# Altium PCB CurrentTransducers_Corfo_v2.PcbDoc (part 2 of 2)
Units mil, origin at the board's own origin, x right, y up, seen from the top; angles counter-clockwise.
Board outline 7874.02 x 4409.45 mil, 4 copper layers (Top Layer, POWER, GND, Bottom Layer), stack 23.756 mil thick; 132 components, 72 nets, 377 pads, 93 vias.
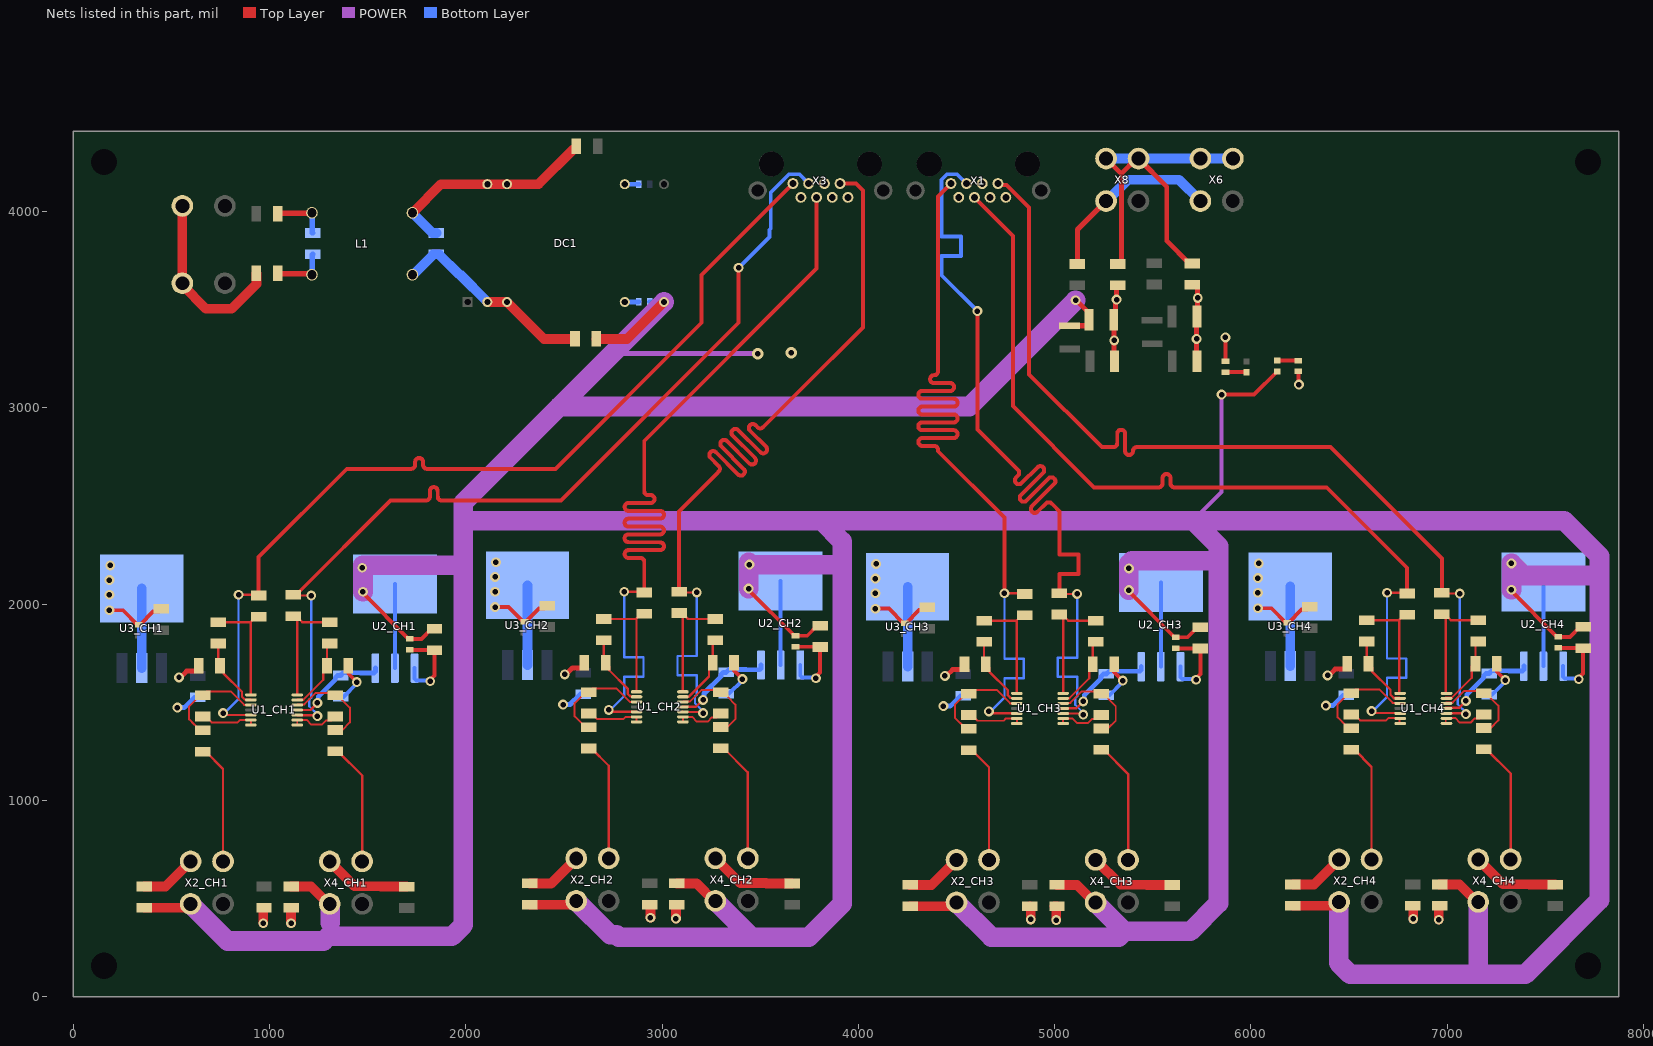
[diagram p4: the nets of this part, all layers, seen from the top]

## Via types
v1: diameter 50, hole 28, Top Layer to Bottom Layer, 88 vias
v2: diameter 59.06, hole 28, Top Layer to Bottom Layer, 3 vias
v3: diameter 120.08, hole 120.08, Top Layer to Bottom Layer, 2 vias

## Nets (pads, with @x,y where several pads share a name; then routed paths per layer and width w, separated by ;. In a path a pad name is that pad's centre, name@x,y a point inside that pad or via, vN(x,y) a via of type N, cw(c..) or ccw(c..) an arc to the next point about the centre after c; other vN are vias at no path point) (continued)
-15V: C9.1 C10_CH1.1 C10_CH2.1 C10_CH3.1 C10_CH4.1 C12_CH1.1 C12_CH2.1 C12_CH3.1 C12_CH4.1 C13_CH1.1 C13_CH2.1 C13_CH3.1 C13_CH4.1 C19_CH1.1 C19_CH2.1 C19_CH3.1 C19_CH4.1 C27.2 C28.2 D2.2 DC1.11 L3.2 U2_CH1.2 U2_CH1.4 U2_CH2.2 U2_CH2.4 U2_CH3.2 U2_CH3.4 U2_CH4.2 U2_CH4.4 X2_CH1.2 X2_CH2.2 X2_CH3.2 X2_CH4.2 X4_CH1.2 X4_CH2.2 X4_CH3.2 X4_CH4.2 | length 35850.1
  Top Layer w20: v1(1476.38,2062.99) 1476.38,2055.51 1709.05,1822.83 C13_CH1.1@1714.96,1822.83 1775,1822.83 1826.18,1874.02 C12_CH1.1@1840.94,1874.02 ; v1(3440.94,2078.74) 3440.94,2071.26 3673.62,1838.58 C13_CH2.1@3679.53,1838.58 3739.57,1838.58 3790.75,1889.76 C12_CH2.1@3805.51,1889.76 ; v1(5377.95,2070.87) 5377.95,2063.38 5610.63,1830.71 C13_CH3.1@5616.53,1830.71 5676.57,1830.71 5727.76,1881.89 C12_CH3.1@5742.52,1881.89 ; v1(5850.39,3066.93) 6015.75,3066.93 D2.2@6133.86,3185.04 ; v1(7326.77,2073.23) 7326.77,2065.75 7559.45,1833.07 C13_CH4.1@7565.35,1833.07 7625.39,1833.07 7676.57,1884.25 C12_CH4.1@7691.34,1884.25
  Top Layer w25: v1(5106.3,3547.24) 5109.64,3547.24 5175.58,3481.3 C9.1@5175.58,3448.82 C9.1@5175.58,3426.18
  Top Layer w27.56: L3.2@5075.98,3417.32 5166.72,3417.32 C9.1@5175.58,3426.18
  Top Layer w50: C10_CH1.1@362.2,452.76 562.44,452.76 582.13,472.44 X2_CH1.2@598.43,472.44 ; C19_CH1.1@1110.24,561.42 1212.05,561.42 1301.03,472.44 X4_CH1.2@1307.09,472.44 ; C10_CH2.1@2326.77,468.5 2527.01,468.5 2546.69,488.19 X2_CH2.2@2562.99,488.19 ; C28.2@2665.35,3350.78 2822.18,3350.78 DC1.11@3010.08,3538.68 ; C19_CH2.1@3074.8,577.17 3176.62,577.17 3265.59,488.19 X4_CH2.2@3271.65,488.19 ; C10_CH3.1@4263.78,460.63 4464.02,460.63 4483.7,480.31 X2_CH3.2@4500,480.31 ; C19_CH3.1@5011.81,569.29 5113.62,569.29 5202.6,480.31 X4_CH3.2@5208.66,480.31 ; C10_CH4.1@6212.6,462.99 6412.84,462.99 6432.52,482.68 X2_CH4.2@6448.82,482.68 ; C19_CH4.1@6960.63,571.65 7062.44,571.65 7151.42,482.68 X4_CH4.2@7157.48,482.68
  POWER w20: 5704.72,2425.2 5850.39,2570.87 v1(5850.39,3066.93)
  POWER w25: 2761.29,3289.89 2775.59,3275.59 v2(3488.19,3275.59)
  POWER w100: X2_CH1.2@598.43,472.44 787.4,283.46 1275.59,283.46 ; 1299.21,307.09 1929.61,307.09 1988.19,365.67 1988.19,2204.72 ; X4_CH1.2@1307.09,472.44 1309.04,470.48 1309.04,375.99 ; v1(1476.38,2062.99) 1476.38,2196.85 1980.32,2196.85 1988.19,2204.72 ; X2_CH2.2@2562.99,488.19 2736.22,314.96 2767.72,314.96 2779.53,303.15 3456.69,303.15 ; DC1.11@3010.08,3538.68 2761.29,3289.89 2477.82,3006.43 ; X4_CH2.2@3271.65,488.19 3456.69,303.15 ; v1(3440.94,2078.74) 3440.94,2212.6 3452.76,2200.79 3917.32,2200.79 ; X2_CH3.2@4500,480.31 4677.17,303.15 5326.61,303.15 5356.22,332.76 ; v1(5106.3,3547.24) 4565.48,3006.43 2477.82,3006.43 ; X4_CH3.2@5208.66,480.31 5356.22,332.76 ; v1(5377.95,2070.87) v1(5377.95,2181.1) 5377.95,2204.72 5393.7,2220.47 5834.65,2220.47 ; X2_CH4.2@6448.82,482.68 6446.86,480.72 6446.86,172.75 6505.44,114.17 7133.86,114.17 ; X4_CH4.2@7157.48,482.68 7157.48,137.8 7133.86,114.17 ; v1(7326.77,2073.23) v1(7326.77,2207.09) 7388.19,2145.67 7775.59,2145.67 ; 1988.19,2204.72 1988.19,2425.2 ; 1988.19,2425.2 1988.19,2516.79 2477.82,3006.43 ; 1988.19,2425.2 3811.02,2425.2 ; 3456.69,303.15 3748.03,303.15 3917.32,472.44 3917.32,2200.79 ; 3811.02,2425.2 5704.72,2425.2 ; 3811.02,2425.2 3917.32,2318.9 3917.32,2200.79 ; 5356.22,332.76 5691.03,332.76 5834.65,476.38 5834.65,2220.47 ; 5704.72,2425.2 7594.49,2425.2 7775.59,2244.09 7775.59,2145.67 ; 5704.72,2425.2 5834.65,2295.28 5834.65,2220.47 ; 7133.86,114.17 7397.64,114.17 7775.59,492.13 7775.59,2145.67
  Bottom Layer w20: U2_CH1.2@1639.37,1673.23 U2_CH1.4@1639.37,2101.57 ; U2_CH2.2@3603.94,1688.98 U2_CH2.4@3603.94,2117.32 ; U2_CH3.2@5540.94,1681.1 U2_CH3.4@5540.94,2109.45 ; U2_CH4.2@7489.76,1683.46 U2_CH4.4@7489.76,2111.81
  Bottom Layer w25: C27.2@2937.01,3539.75 2937.54,3539.22 3009.55,3539.22 DC1.11@3010.08,3538.68
  other v1: 1472.44,2185.04 3444.88,2200.79
-15V_In: FB5.1 X6.2 X8.2 | length 951.1
  Top Layer w27.56: FB5.1@5116.1,3732.28 5116.1,3907.13 X8.2@5261.77,4052.8
  Bottom Layer w50: X8.2@5261.77,4052.8 5265.39,4052.8 5374.02,4161.42 5633.46,4161.42 X6.2@5742.09,4052.8
-Vcc_CH1: C1_CH1.1 U1_CH1.11 U2_CH1.3 | length 517.2
  Top Layer w12: U1_CH1.11@1141.73,1460.63 1208.66,1460.63 v1(1244.09,1496.06)
  Bottom Layer w25: v1(1244.09,1496.06) 1248.88,1500.85 1248.88,1528.41 1335.33,1614.86 1335.33,1624.11 1347.44,1636.22 C1_CH1.1@1362.2,1636.22 1375.85,1649.86 1464.56,1649.86 1464.81,1649.61 1532.38,1649.61 1539.37,1656.59 U2_CH1.3@1539.37,1673.23
-Vcc_CH2: C1_CH2.1 U1_CH2.11 U2_CH2.3 | length 517.2
  Top Layer w12: U1_CH2.11@3106.3,1476.38 3173.23,1476.38 v1(3208.66,1511.81)
  Bottom Layer w25: v1(3208.66,1511.81) 3213.44,1516.59 3213.44,1544.15 3299.9,1630.61 3299.9,1639.86 3312.01,1651.97 C1_CH2.1@3326.77,1651.97 3340.41,1665.61 3429.12,1665.61 3429.38,1665.35 3496.95,1665.35 3503.94,1672.34 U2_CH2.3@3503.94,1688.98
-Vcc_CH3: C1_CH3.1 U1_CH3.11 U2_CH3.3 | length 517.2
  Top Layer w12: U1_CH3.11@5043.31,1468.5 5110.24,1468.5 v1(5145.67,1503.94)
  Bottom Layer w25: v1(5145.67,1503.94) 5150.45,1508.72 5150.45,1536.28 5236.91,1622.74 5236.91,1631.99 5249.02,1644.09 C1_CH3.1@5263.78,1644.09 5277.42,1657.74 5366.13,1657.74 5366.39,1657.48 5433.96,1657.48 5440.94,1664.47 U2_CH3.3@5440.94,1681.1
-Vcc_CH4: C1_CH4.1 U1_CH4.11 U2_CH4.3 | length 517.2
  Top Layer w12: U1_CH4.11@6992.13,1470.87 7059.06,1470.87 v1(7094.49,1506.3)
  Bottom Layer w25: v1(7094.49,1506.3) 7099.27,1511.08 7099.27,1538.64 7185.73,1625.1 7185.73,1634.35 7197.84,1646.45 C1_CH4.1@7212.6,1646.45 7226.24,1660.1 7314.95,1660.1 7315.21,1659.84 7382.78,1659.84 7389.76,1666.83 U2_CH4.3@7389.76,1683.46
GND: C1_CH1.2 C1_CH2.2 C1_CH3.2 C1_CH4.2 C2_CH1.2 C2_CH2.2 C2_CH3.2 C2_CH4.2 C3_CH1.2 C3_CH2.2 C3_CH3.2 C3_CH4.2 C4_CH1.2 C4_CH2.2 C4_CH3.2 C4_CH4.2 C5_CH1.2 C5_CH2.2 C5_CH3.2 C5_CH4.2 C6.2 C7.2 C8.2 C9.2 C10_CH1.2 C10_CH2.2 C10_CH3.2 C10_CH4.2 C11_CH1.2 C11_CH2.2 C11_CH3.2 C11_CH4.2 C12_CH1.2 C12_CH2.2 C12_CH3.2 C12_CH4.2 C13_CH1.2 C13_CH2.2 C13_CH3.2 C13_CH4.2 C19_CH1.2 C19_CH2.2 C19_CH3.2 C19_CH4.2 C24.2 C27.1 DC1.9 DC1.16 FB4.2 FB6.2 R1.1 R2.1 R7_CH1.2 R7_CH2.2 R7_CH3.2 R7_CH4.2 R8_CH1.1 R8_CH2.1 R8_CH3.1 R8_CH4.1 U2_CH1.1 U2_CH2.1 U2_CH3.1 U2_CH4.1 U3_CH1.2 U3_CH1.4 U3_CH2.2 U3_CH2.4 U3_CH3.2 U3_CH3.4 U3_CH4.2 U3_CH4.4 X1.2 X1.5 X1.6 X1.8 X2_CH1.4 X2_CH2.4 X2_CH3.4 X2_CH4.4 X3.2 X3.5 X3.6 X3.8 X4_CH1.4 X4_CH2.4 X4_CH3.4 X4_CH4.4 | length 11316.8
  Top Layer w20: v1(185.04,1968.5) 253.94,1968.5 328.74,1893.7 C4_CH1.2@334.65,1893.7 340.55,1893.7 407.82,1960.97 435.01,1960.97 C2_CH1.2@449.62,1975.57 ; R8_CH1.1@1401.57,1685.04 1401.57,1645.67 v1(1444.88,1602.36) ; C13_CH1.2@1714.96,1767.72 1716.14,1766.54 1839.76,1766.54 C12_CH1.2@1840.94,1765.35 1840.94,1636.46 1818.9,1614.42 v1(1818.9,1606.3) ; v1(2149.61,1984.25) 2218.5,1984.25 2293.31,1909.45 C4_CH2.2@2299.21,1909.45 2305.12,1909.45 2372.38,1976.71 2399.58,1976.71 C2_CH2.2@2414.19,1991.32 ; R8_CH2.1@3366.14,1700.79 3366.14,1661.42 v1(3409.45,1618.11) ; C13_CH2.2@3679.53,1783.46 3680.71,1782.28 3804.33,1782.28 C12_CH2.2@3805.51,1781.1 3805.51,1652.21 3783.46,1630.17 v1(3783.46,1622.05) ; v1(4086.61,1976.38) 4155.51,1976.38 4230.32,1901.57 C4_CH3.2@4236.22,1901.57 4242.13,1901.57 4309.39,1968.84 4336.59,1968.84 C2_CH3.2@4351.19,1983.45 ; R8_CH3.1@5303.15,1692.91 5303.15,1653.54 v1(5346.46,1610.24) ; C13_CH3.2@5616.53,1775.59 5617.72,1774.41 5741.34,1774.41 C12_CH3.2@5742.52,1773.23 5742.52,1644.34 5720.47,1622.29 v1(5720.47,1614.17) ; R2.1@5870.08,3236.22 v1(5870.08,3358.27) ; v1(6035.43,1978.74) 6104.33,1978.74 6179.13,1903.94 C4_CH4.2@6185.04,1903.94 6190.95,1903.94 6258.21,1971.2 6285.41,1971.2 C2_CH4.2@6300.01,1985.81 ; R1.1@6240.16,3185.04 6242.13,3183.07 6242.13,3120.08 v1(6244.09,3118.11) ; R8_CH4.1@7251.97,1695.28 7251.97,1655.91 v1(7295.28,1612.6) ; C13_CH4.2@7565.35,1777.95 7566.54,1776.77 7690.16,1776.77 C12_CH4.2@7691.34,1775.59 7691.34,1646.7 7669.29,1624.65 v1(7669.29,1616.54)
  Top Layer w25: v1(539.37,1625.98) 546.13,1625.98 578.32,1658.17 627.26,1658.17 639.37,1670.28 R7_CH1.2@639.37,1685.04 ; v1(2503.94,1641.73) 2510.7,1641.73 2542.89,1673.92 2591.83,1673.92 2603.94,1686.02 R7_CH2.2@2603.94,1700.79 ; v1(4440.94,1633.86) 4447.71,1633.86 4479.9,1666.04 4528.84,1666.04 4540.94,1678.15 R7_CH3.2@4540.94,1692.91 ; C8.2@5305.12,3236.22 5303.15,3238.19 v1(5303.15,3342.52) 5303.15,3446.85 C9.2@5301.18,3448.82 5310.18,3457.82 v1@5310.18,3540.53 ; v1@5320.83,3551.18 v1@5310.18,3540.53 ; FB6.2@5320.83,3623.62 5319.77,3623.62 5314.96,3618.82 v1(5314.96,3551.18) 5310.18,3546.4 v1@5310.18,3540.53 ; FB4.2@5700.79,3625.98 5715.55,3625.98 5728.35,3613.19 v1(5728.35,3559.06) 5728.35,3468.89 C6.2@5724.02,3464.57 5722.25,3462.79 5722.25,3360.04 5722.44,3359.85 v1(5722.44,3350.2) 5722.44,3238.19 C7.2@5724.41,3236.22 ; v1(6389.76,1636.22) 6396.53,1636.22 6428.72,1668.41 6477.66,1668.41 6489.76,1680.51 R7_CH4.2@6489.76,1695.28
  Top Layer w50: C10_CH1.2@362.21,561.42 470.87,561.42 X2_CH1.4@598.43,688.98 ; v1(968.5,374.02) 968.5,444.49 976.38,452.36 975.98,452.76 C3_CH1.2@972.44,452.76 ; v1(1110.24,374.02) 1110.24,448.43 1106.3,452.36 1106.69,452.76 C19_CH1.2@1110.24,452.76 ; X4_CH1.4@1307.09,688.98 1433.5,562.56 1565.96,562.56 1567.87,560.65 C11_CH1.2@1698.39,560.65 ; C10_CH2.2@2326.77,577.17 2435.43,577.17 X2_CH2.4@2562.99,704.72 ; C3_CH2.2@2937.01,468.5 2940.94,464.57 v1(2940.94,401.57) ; v1(3070.87,397.64) 3070.87,457.68 3060.43,468.11 3060.83,468.5 C19_CH2.2@3074.8,468.5 ; X4_CH2.4@3271.65,704.72 3398.07,578.31 3530.53,578.31 3532.44,576.4 C11_CH2.2@3662.96,576.4 ; C10_CH3.2@4263.78,569.29 4372.44,569.29 X2_CH3.4@4500,696.85 ; C3_CH3.2@4874.01,460.63 4877.95,456.69 v1(4877.95,393.7) ; v1(5007.87,389.76) 5007.87,449.8 4997.44,460.24 4997.83,460.63 C19_CH3.2@5011.81,460.63 ; X4_CH3.4@5208.66,696.85 5335.08,570.43 5467.53,570.43 5469.44,568.52 C11_CH3.2@5599.97,568.52 ; C10_CH4.2@6212.6,571.65 6321.26,571.65 X2_CH4.4@6448.82,699.21 ; C3_CH4.2@6822.83,462.99 6826.77,459.05 v1(6826.77,396.06) ; v1(6956.69,392.13) 6956.69,452.16 6946.26,462.6 6946.65,462.99 C19_CH4.2@6960.63,462.99 ; X4_CH4.4@7157.48,699.21 7283.9,572.79 7416.35,572.79 7418.26,570.88 C11_CH4.2@7548.79,570.88
  Bottom Layer w20: C1_CH1.2@1362.2,1527.56 1376.97,1527.56 1444.88,1595.47 v1(1444.88,1602.36) ; U2_CH1.1@1739.37,1673.23 1739.37,1619.38 1748.86,1609.9 1815.3,1609.9 v1(1818.9,1606.3) ; C1_CH2.2@3326.77,1543.31 3341.54,1543.31 3409.45,1611.22 v1(3409.45,1618.11) ; U2_CH2.1@3703.94,1688.98 3703.94,1635.13 3713.43,1625.64 3779.87,1625.64 v1(3783.46,1622.05) ; C1_CH3.2@5263.78,1535.43 5278.54,1535.43 5346.46,1603.35 v1(5346.46,1610.24) ; U2_CH3.1@5640.94,1681.1 5640.94,1627.26 5650.43,1617.77 5716.88,1617.77 v1(5720.47,1614.17) ; C1_CH4.2@7212.6,1537.8 7227.36,1537.8 7295.28,1605.71 v1(7295.28,1612.6) ; U2_CH4.1@7589.76,1683.46 7589.76,1629.62 7599.25,1620.13 7665.69,1620.13 v1(7669.29,1616.54)
  Bottom Layer w25: v1(531.5,1472.44) 566.34,1472.44 619.1,1525.2 C5_CH1.2@633.86,1525.2 ; v1(2496.06,1488.19) 2530.91,1488.19 2583.66,1540.94 C5_CH2.2@2598.43,1540.94 ; DC1.9@2810.08,3538.68 2810.62,3539.22 2881.35,3539.22 C27.1@2881.89,3539.75 ; DC1.16@2810.08,4138.68 2810.33,4138.43 2881.64,4138.43 C24.2@2881.89,4138.18 ; v1(4433.07,1480.31) 4467.92,1480.31 4520.67,1533.07 C5_CH3.2@4535.43,1533.07 ; v1(6381.89,1482.68) 6416.74,1482.68 6469.49,1535.43 C5_CH4.2@6484.25,1535.43
  Bottom Layer w50: U3_CH1.2@349.62,1673.82 U3_CH1.4@349.62,2079.33 ; U3_CH2.2@2314.19,1689.57 U3_CH2.4@2314.19,2095.08 ; U3_CH3.2@4251.19,1681.69 U3_CH3.4@4251.19,2087.2 ; U3_CH4.2@6200.01,1684.05 U3_CH4.4@6200.01,2089.57
  other v1: 185.04,2047.24 4086.61,2055.12 6035.43,2057.48 2149.61,2062.99 185.04,2122.05 4086.61,2129.92 6035.43,2132.28 2149.61,2137.8 188.98,2196.85 4090.55,2204.72 6039.37,2207.09 2153.54,2212.6
  other v2: 3657.48,3279.53
GND_Supply: FB2.1 X5.2 X7.2 | length 937.9
  Top Layer w50: X5.2@556.18,4027.94 X7.2@556.18,3634.24 556.18,3624.92 677.17,3503.94 807.09,3503.94 933.46,3630.31 FB2.1@933.46,3685.42
GND_Supply_2: FB4.1 FB6.1 X6.3 X6.4 X8.3 X8.4 | length 2002.9
  Top Layer w25: X8.4@5261.77,4269.33 5339.39,4191.71 ; FB6.1@5320.83,3732.28 5327.28,3732.28 5339.39,3744.39 5339.39,4191.71 ; FB4.1@5700.79,3734.65 5686.02,3734.65 5570.87,3849.8 5570.87,4125.59 X8.3@5427.13,4269.33 5417.01,4269.33 5339.39,4191.71
  Bottom Layer w50: X8.4@5261.77,4269.33 X8.3@5427.13,4269.33 X6.4@5742.09,4269.33 X6.3@5907.44,4269.33
Measure_a1: R3_CH1.2 U1_CH1.5 X3.1 | length 4812.7
  Top Layer w12: v1(763.78,1444.88) 774.06,1444.88 783.9,1435.04 U1_CH1.5@905.51,1435.04 ; v1(842.52,2047.24) 940.95,2047.24 R3_CH1.2@944.88,2043.31
  Top Layer w20: R3_CH1.2@944.88,2043.31 944.88,2240.16 1393.7,2688.98 1712.6,2688.98 1722.6,2688.98 ccw(c1722.6,2708.98) 1742.6,2708.98 1742.6,2723.51 cw(c1762.6,2723.51) 1782.6,2723.51 1782.6,2708.98 ccw(c1802.6,2708.98) 1802.6,2688.98 2305.53,2688.98 2456.69,2688.98 3200.79,3433.07 3200.79,3675.59 X3.1@3666.93,4141.73
  Bottom Layer w12: v1(763.78,1444.88) 771.65,1444.88 842.52,1515.75 v1(842.52,2047.24)
Measure_a2: R3_CH2.2 U1_CH2.5 X3.4 | length 4812.7
  Top Layer w12: v1(2728.35,1460.63) 2738.63,1460.63 2748.47,1450.79 U1_CH2.5@2870.08,1450.79 ; v1(2807.09,2062.99) 2905.51,2062.99 R3_CH2.2@2909.45,2059.06
  Top Layer w20: R3_CH2.2@2909.45,2059.06 2909.45,2204.72 2909.45,2214.72 ccw(c2889.45,2214.72) 2889.45,2234.72 2829.45,2234.72 cw(c2829.45,2254.72) 2829.45,2274.72 2989.45,2274.72 ccw(c2989.45,2294.72) 2989.45,2314.72 2829.45,2314.72 cw(c2829.45,2334.72) 2829.45,2354.72 2989.45,2354.72 ccw(c2989.45,2374.72) 2989.45,2394.72 2829.45,2394.72 cw(c2829.45,2414.72) 2829.45,2434.72 2989.45,2434.72 ccw(c2989.45,2454.72) 2989.45,2474.72 2829.45,2474.72 cw(c2829.45,2494.72) 2829.45,2514.72 2941.91,2514.72 ccw(c2941.91,2534.72) 2941.91,2554.72 2929.45,2554.72 cw(c2929.45,2574.72) 2909.45,2574.72 2909.45,2738.39 2909.45,2830.71 3787.01,3708.27 X3.4@3787.01,4071.65
  Bottom Layer w12: v1(2728.35,1460.63) 2736.22,1460.63 2807.09,1531.5 2807.09,1629.92 2905.51,1629.92 2905.51,1728.35 2807.09,1728.35 v1(2807.09,2062.99)
Measure_a3: R3_CH3.2 U1_CH3.5 X1.1 | length 4812.7
  Top Layer w12: v1(4665.35,1452.76) 4675.64,1452.76 4685.48,1442.91 U1_CH3.5@4807.09,1442.91 ; v1(4744.09,2055.12) 4842.52,2055.12 R3_CH3.2@4846.46,2051.18
  Top Layer w20: X1.1@4471.26,4141.73 4405.51,4075.98 4405.51,3248.03 4405.51,3185.57 cw(c4385.51,3185.57) 4385.51,3165.57 ccw(c4385.51,3145.57) 4385.51,3125.57 4467.55,3125.57 cw(c4467.55,3105.57) 4467.55,3085.57 4325.51,3085.57 ccw(c4325.51,3065.57) 4325.51,3045.57 4485.51,3045.57 cw(c4485.51,3025.57) 4485.51,3005.57 4325.51,3005.57 ccw(c4325.51,2985.57) 4325.51,2965.57 4485.51,2965.57 cw(c4485.51,2945.57) 4485.51,2925.57 4325.51,2925.57 ccw(c4325.51,2905.57) 4325.51,2885.57 4485.51,2885.57 cw(c4485.51,2865.57) 4485.51,2845.57 4325.51,2845.57 ccw(c4325.51,2825.57) 4325.51,2805.57 4385.51,2805.57 cw(c4385.51,2785.57) 4405.51,2785.57 4405.51,2779.53 4409.47,2775.57 4744.09,2440.94 v1(4744.09,2055.12)
  Bottom Layer w12: v1(4665.35,1452.76) 4673.23,1452.76 4744.09,1523.62 4744.09,1622.05 4842.52,1622.05 4842.52,1720.47 4744.09,1720.47 v1(4744.09,2055.12)
Measure_a4: R3_CH4.2 U1_CH4.5 X1.4 | length 4812.7
  Top Layer w12: v1(6614.17,1455.12) 6624.46,1455.12 6634.3,1445.28 U1_CH4.5@6755.91,1445.28 ; v1(6692.91,2057.48) 6791.34,2057.48 R3_CH4.2@6795.28,2053.54
  Top Layer w20: X1.4@4591.34,4071.65 4787.4,3875.59 4787.4,3007.87 5200.79,2594.49 5519.69,2594.49 5529.69,2594.49 ccw(c5529.69,2614.49) 5549.69,2614.49 5549.69,2642.31 cw(c5569.69,2642.31) 5589.69,2642.31 5589.69,2614.49 ccw(c5609.69,2614.49) 5609.69,2594.49 5955.41,2594.49 6385.83,2594.49 6795.28,2185.04 R3_CH4.2@6795.28,2053.54
  Bottom Layer w12: v1(6614.17,1455.12) 6622.05,1455.12 6692.91,1525.98 6692.91,1624.41 6791.34,1624.41 6791.34,1722.83 6692.91,1722.83 v1(6692.91,2057.48)
Measure_a_CH1: R9_CH1.2 X2_CH1.3 | length 610.1
  Top Layer w12: R9_CH1.2@661.42,1248.03 676.18,1248.03 763.78,1160.43 X2_CH1.3@763.78,688.98
Measure_a_CH2: R9_CH2.2 X2_CH2.3 | length 610.1
  Top Layer w12: R9_CH2.2@2625.98,1263.78 2640.75,1263.78 2728.35,1176.18 X2_CH2.3@2728.35,704.72
Measure_a_CH3: R9_CH3.2 X2_CH3.3 | length 610.1
  Top Layer w12: R9_CH3.2@4562.99,1255.91 4577.76,1255.91 4665.35,1168.31 X2_CH3.3@4665.35,696.85
Measure_a_CH4: R9_CH4.2 X2_CH4.3 | length 610.1
  Top Layer w12: R9_CH4.2@6511.81,1258.27 6526.58,1258.27 6614.17,1170.67 X2_CH4.3@6614.17,699.21
Measure_b1: R4_CH1.1 U1_CH1.10 X3.3 | length 4741.5
  Top Layer w12: R4_CH1.1@1136.81,2043.31 v1(1212.6,2043.31) ; U1_CH1.10@1141.73,1435.04 1142.45,1434.32 1238.91,1434.32 v1(1244.09,1429.13)
  Top Layer w20: R4_CH1.1@1122.05,2047.24 1136.81,2047.24 1617.13,2527.56 1787.4,2527.56 1797.4,2527.56 ccw(c1797.4,2547.56) 1817.4,2547.56 1817.4,2575.56 cw(c1837.4,2575.56) 1857.4,2575.56 1857.4,2547.56 ccw(c1877.4,2547.56) 1877.4,2527.56 2296.22,2527.56 2484.25,2527.56 3389.76,3433.07 v1(3389.76,3712.6)
  Bottom Layer w12: v1(1212.6,2043.31) 1212.6,1522.55 1203.09,1513.05 1203.09,1479.08 1244.09,1438.08 v1(1244.09,1429.13)
  Bottom Layer w20: v1(3389.76,3712.6) 3547.24,3870.08 3547.24,3905.51 3553.86,3912.13 3553.86,4096.14 3647.17,4189.45 3699.13,4189.45 X3.3@3746.85,4141.73
Measure_b2: R4_CH2.1 U1_CH2.10 X3.7 | length 4763.9
  Top Layer w12: R4_CH2.1@3086.61,2062.99 3090.55,2059.06 v1(3177.17,2059.06) ; U1_CH2.10@3106.3,1450.79 3107.02,1450.07 3203.47,1450.07 v1(3208.66,1444.88)
  Top Layer w20: R4_CH2.1@3086.61,2062.99 3086.61,2472.44 3281.5,2667.32 3288.57,2674.39 ccw(c3274.43,2688.54) 3288.57,2702.68 3246.14,2745.1 cw(c3260.28,2759.25) 3246.14,2773.39 cw(c3260.28,2759.25) 3274.43,2773.39 3387.56,2660.25 ccw(c3401.7,2674.39) 3415.85,2688.54 3302.71,2801.67 cw(c3316.85,2815.82) 3302.71,2829.96 cw(c3316.85,2815.82) 3330.99,2829.96 3444.13,2716.82 ccw(c3458.27,2730.96) 3472.41,2716.82 ccw(c3458.27,2730.96) 3472.42,2745.1 3359.28,2858.24 cw(c3373.42,2872.38) 3387.56,2886.53 3500.7,2773.39 ccw(c3514.84,2787.53) 3528.98,2773.39 ccw(c3514.84,2787.53) 3528.98,2801.67 3447.92,2882.73 cw(c3462.07,2896.87) 3447.92,2911.02 cw(c3462.07,2896.87) 3476.21,2911.02 3486.56,2900.67 ccw(c3500.7,2914.81) 3514.84,2900.67 3703.88,3089.7 4023.62,3409.45 4023.62,4106.3 3988.19,4141.73 X3.7@3906.69,4141.73
  Bottom Layer w12: v1(3177.17,2059.06) 3177.17,1735.15 3078.74,1735.15 3078.74,1636.72 3177.17,1636.72 3177.17,1538.3 3167.66,1528.79 3167.66,1494.83 3208.66,1453.83 v1(3208.66,1444.88)
Measure_b3: R4_CH3.1 U1_CH3.10 X1.3 | length 4741.5
  Top Layer w12: R4_CH3.1@5023.62,2055.12 5027.56,2051.18 v1(5114.17,2051.18) ; U1_CH3.10@5043.31,1442.91 5044.02,1442.2 5140.48,1442.2 v1(5145.67,1437.01)
  Top Layer w20: v1(4606.3,3492.13) 4606.3,2889.76 4759.84,2736.22 4766.91,2729.15 4813.66,2682.41 cw(c4799.51,2668.26) 4813.66,2654.12 4803.76,2644.23 ccw(c4817.9,2630.08) 4803.76,2615.94 ccw(c4817.9,2630.08) 4832.04,2615.94 4912.65,2696.55 cw(c4926.79,2682.41) 4940.94,2668.26 4827.8,2555.13 ccw(c4841.94,2540.99) 4827.8,2526.84 ccw(c4841.94,2540.99) 4856.08,2526.84 4969.22,2639.98 cw(c4983.36,2625.84) 4997.5,2639.98 cw(c4983.36,2625.84) 4997.5,2611.7 4884.37,2498.56 ccw(c4898.51,2484.42) 4884.37,2470.27 ccw(c4898.51,2484.42) 4912.65,2470.27 4955.08,2512.7 cw(c4969.22,2498.56) 4983.36,2512.7 4990.43,2505.63 5023.62,2472.44 5023.62,2251.97 5122.05,2251.97 5122.05,2153.54 5023.62,2153.54 R4_CH3.1@5023.62,2055.12
  Bottom Layer w12: v1(5114.17,2051.18) 5114.17,1727.27 5015.75,1727.27 5015.75,1628.85 5114.17,1628.85 5114.17,1530.42 5104.67,1520.92 5104.67,1486.95 5145.67,1445.95 v1(5145.67,1437.01)
  Bottom Layer w20: X1.3@4551.18,4141.73 4503.47,4189.45 4451.5,4189.45 4423.54,4161.5 4423.54,3871.73 4521.97,3871.73 4521.97,3773.31 4423.54,3773.31 4423.54,3674.88 v1(4606.3,3492.13)
Measure_b4: R4_CH4.1 U1_CH4.10 X1.7 | length 4763.9
  Top Layer w12: R4_CH4.1@6972.44,2057.48 6976.38,2053.54 v1(7062.99,2053.54) ; U1_CH4.10@6992.13,1445.28 6992.84,1444.56 7089.3,1444.56 v1(7094.49,1439.37)
  Top Layer w20: X1.7@4711.02,4141.73 4717.8,4134.95 4755.37,4134.95 4870.08,4020.24 4870.08,3169.29 5240.16,2799.21 5288.59,2799.21 5298.59,2799.21 ccw(c5298.59,2819.21) 5318.59,2819.21 5318.59,2868.06 cw(c5338.59,2868.06) 5358.59,2868.06 5358.59,2779.21 ccw(c5378.59,2779.21) 5398.59,2779.21 cw(c5418.59,2779.21) 5418.59,2799.21 6164.14,2799.21 6405.51,2799.21 6972.44,2232.28 R4_CH4.1@6972.44,2057.48
  Bottom Layer w12: v1(7062.99,2053.54) 7062.99,1532.79 7053.49,1523.28 7053.49,1489.32 7094.49,1448.32 v1(7094.49,1439.37)
Measure_b_CH1: R10_CH1.1 X4_CH1.3 | length 626.4
  Top Layer w12: R10_CH1.1@1334.65,1249.61 1349.41,1249.61 1472.44,1126.57 X4_CH1.3@1472.44,688.98
Measure_b_CH2: R10_CH2.1 X4_CH2.3 | length 626.4
  Top Layer w12: R10_CH2.1@3299.21,1265.35 3313.98,1265.35 3437.01,1142.32 X4_CH2.3@3437.01,704.72
Measure_b_CH3: R10_CH3.1 X4_CH3.3 | length 626.4
  Top Layer w12: R10_CH3.1@5236.22,1257.48 5250.98,1257.48 5374.02,1134.45 X4_CH3.3@5374.02,696.85
Measure_b_CH4: R10_CH4.1 X4_CH4.3 | length 626.4
  Top Layer w12: R10_CH4.1@7185.04,1259.84 7199.8,1259.84 7322.84,1136.81 X4_CH4.3@7322.84,699.21
NetC23_1: C23.1 C26.1 DC1.22 DC1.23 L1.4 | length 1147.5
  Top Layer w50: L1.4@1728.35,3992.51 1874.52,4138.68 DC1.23@2110.08,4138.68 DC1.22@2210.08,4138.68 2370.58,4138.68 2548.62,4316.72 2562.6,4316.72 2562.99,4317.12 C23.1@2562.99,4331.09
  Bottom Layer w50: L1.4@1728.35,3992.51 1830.31,3890.55 1850,3890.55 C26.1@1850.39,3890.16
NetC25_1: C25.1 FB1.2 L1.1 | length 279.8
  Top Layer w27.56: FB1.2@1042.12,3988.57 1044.09,3990.54 1214.57,3990.54 L1.1@1216.54,3992.51
  Bottom Layer w27.56: L1.1@1216.54,3992.51 1218.26,3990.79 1218.26,3891.87 C25.1@1219.98,3890.15
NetC25_2: C25.2 FB2.2 L1.2 | length 283
  Top Layer w27.56: FB2.2@1042.12,3685.42 1046.05,3681.49 1212.6,3681.49 L1.2@1216.54,3677.55
  Bottom Layer w27.56: L1.2@1216.54,3677.55 1218.26,3679.27 1218.26,3779.77 C25.2@1219.98,3781.49
NetC26_2: C26.2 C28.1 DC1.2 DC1.3 L1.3 | length 1051.1
  Top Layer w50: DC1.2@2110.08,3538.68 DC1.3@2210.08,3538.68 2397.99,3350.78 C28.1@2556.69,3350.78
  Bottom Layer w50: L1.3@1728.35,3677.55 1730.14,3679.34 1734.26,3679.34 1836.42,3781.5 C26.2@1850.39,3781.5 1864.37,3781.5 1965.93,3679.94 1969.51,3679.94 DC1.2@2109.86,3539.59 ; DC1.2@2109.86,3539.59 DC1.2@2110.08,3538.68 2109.86,3538.91 DC1.2@2109.86,3539.59
NetD1_2: D1.2 R2.2 | length 106.3
  Top Layer w20: R2.2@5870.08,3181.1 D1.2@5976.38,3181.1
NetD2_1: D2.1 R1.2 | length 106.3
  Top Layer w20: D2.1@6133.86,3240.16 R1.2@6240.16,3240.16
NetR3_CH1_1: R3_CH1.1 R5_CH1.1 U1_CH1.1 | length 590
  Top Layer w12: R5_CH1.1@738.58,1907.87 903.35,1907.87 905.51,1910.04 ; U1_CH1.1@905.51,1537.4 905.51,1910.04 ; R3_CH1.1@944.88,1934.65 930.12,1934.65 905.51,1910.04
NetR3_CH2_1: R3_CH2.1 R5_CH2.1 U1_CH2.1 | length 590
  Top Layer w12: R5_CH2.1@2703.15,1923.62 2867.91,1923.62 2870.08,1925.79 ; U1_CH2.1@2870.08,1553.15 2870.08,1925.79 ; R3_CH2.1@2909.45,1950.39 2894.69,1950.39 2870.08,1925.79
NetR3_CH3_1: R3_CH3.1 R5_CH3.1 U1_CH3.1 | length 590
  Top Layer w12: R5_CH3.1@4640.16,1915.75 4804.92,1915.75 4807.09,1917.91 ; U1_CH3.1@4807.09,1545.28 4807.09,1917.91 ; R3_CH3.1@4846.46,1942.52 4831.69,1942.52 4807.09,1917.91
NetR3_CH4_1: R3_CH4.1 R5_CH4.1 U1_CH4.1 | length 590
  Top Layer w12: R5_CH4.1@6588.98,1918.11 6753.74,1918.11 6755.91,1920.28 ; U1_CH4.1@6755.91,1547.64 6755.91,1920.28 ; R3_CH4.1@6795.28,1944.88 6780.51,1944.88 6755.91,1920.28
NetR4_CH1_2: R4_CH1.2 R6_CH1.2 U1_CH1.14 | length 607.7
  Top Layer w12: U1_CH1.14@1141.73,1537.4 1141.73,1919.98 1140.65,1919.98 R4_CH1.2@1122.05,1938.58 1136.81,1938.58 1167.52,1907.87 R6_CH1.2@1307.09,1907.87
NetR4_CH2_2: R4_CH2.2 R6_CH2.2 U1_CH2.14 | length 607.7
  Top Layer w12: U1_CH2.14@3106.3,1553.15 3106.3,1935.73 3105.22,1935.73 R4_CH2.2@3086.61,1954.33 3101.38,1954.33 3132.09,1923.62 R6_CH2.2@3271.65,1923.62
NetR4_CH3_2: R4_CH3.2 R6_CH3.2 U1_CH3.14 | length 607.7
  Top Layer w12: U1_CH3.14@5043.31,1545.28 5043.31,1927.85 5042.23,1927.85 R4_CH3.2@5023.62,1946.46 5038.38,1946.46 5069.09,1915.75 R6_CH3.2@5208.66,1915.75
NetR4_CH4_2: R4_CH4.2 R6_CH4.2 U1_CH4.14 | length 607.7
  Top Layer w12: U1_CH4.14@6992.13,1547.64 6992.13,1930.21 6991.05,1930.21 R4_CH4.2@6972.44,1948.82 6987.2,1948.82 7017.91,1918.11 R6_CH4.2@7157.48,1918.11
NetR5_CH1_2: R5_CH1.2 R7_CH1.1 U1_CH1.2 | length 374
  Top Layer w12: R5_CH1.2@738.58,1799.21 738.58,1694.49 R7_CH1.1@748.03,1685.04 766.64,1666.43 766.64,1646.75 859.98,1553.4 859.98,1527.51 873.97,1513.53 881.13,1513.53 882.84,1511.81 U1_CH1.2@905.51,1511.81
NetR5_CH2_2: R5_CH2.2 R7_CH2.1 U1_CH2.2 | length 374
  Top Layer w12: R5_CH2.2@2703.15,1814.96 2703.15,1710.24 R7_CH2.1@2712.6,1700.79 2731.21,1682.18 2731.21,1662.5 2824.55,1569.15 2824.55,1543.26 2838.54,1529.28 2845.69,1529.28 2847.41,1527.56 U1_CH2.2@2870.08,1527.56
NetR5_CH3_2: R5_CH3.2 R7_CH3.1 U1_CH3.2 | length 374
  Top Layer w12: R5_CH3.2@4640.16,1807.09 4640.16,1702.36 R7_CH3.1@4649.6,1692.91 4668.21,1674.31 4668.21,1654.62 4761.56,1561.28 4761.56,1535.39 4775.54,1521.4 4782.7,1521.4 4784.42,1519.68 U1_CH3.2@4807.09,1519.68
NetR5_CH4_2: R5_CH4.2 R7_CH4.1 U1_CH4.2 | length 397.8
  Top Layer w12: R5_CH4.2@6588.98,1809.45 6588.98,1704.73 R7_CH4.1@6598.43,1695.28 6617.03,1676.67 6617.03,1656.98 6710.38,1563.64 6710.38,1537.75 6727.73,1520.4 6754.91,1520.4 U1_CH4.2@6755.91,1521.4 ; U1_CH4.2@6733.24,1522.05 U1_CH4.2@6755.91,1522.05
NetR6_CH1_1: R6_CH1.1 R8_CH1.2 U1_CH1.13 | length 373.4
  Top Layer w12: U1_CH1.13@1141.73,1511.81 1142.45,1512.53 1172.28,1512.53 1274.31,1614.56 1274.31,1674.31 1292.91,1692.91 1292.91,1785.04 R6_CH1.1@1307.08,1799.21
NetR6_CH2_1: R6_CH2.1 R8_CH2.2 U1_CH2.13 | length 373.4
  Top Layer w12: U1_CH2.13@3106.3,1527.56 3107.02,1528.28 3136.84,1528.28 3238.87,1630.31 3238.87,1690.06 3257.48,1708.66 3257.48,1800.79 R6_CH2.1@3271.65,1814.96
NetR6_CH3_1: R6_CH3.1 R8_CH3.2 U1_CH3.13 | length 373.4
  Top Layer w12: U1_CH3.13@5043.31,1519.68 5044.02,1520.4 5073.85,1520.4 5175.88,1622.43 5175.88,1682.18 5194.49,1700.79 5194.49,1792.92 R6_CH3.1@5208.66,1807.09
NetR6_CH4_1: R6_CH4.1 R8_CH4.2 U1_CH4.13 | length 373.4
  Top Layer w12: U1_CH4.13@6992.13,1522.05 6992.84,1522.76 7022.67,1522.76 7124.7,1624.8 7124.7,1684.54 7143.31,1703.15 7143.31,1795.28 R6_CH4.1@7157.48,1809.45
NetR9_CH1_1: R9_CH1.1 R11_CH1.2 U1_CH1.3 | length 529
  Top Layer w10: R9_CH1.1@653.54,1360.63 642.72,1360.63 616.18,1387.17 615.83,1387.17 590.55,1412.45 590.55,1479.33 646.65,1535.43 R11_CH1.2@661.42,1535.43 681.02,1555.04 701.57,1555.04 701.65,1555.12 802.68,1555.12 871.54,1486.25 U1_CH1.3@905.48,1486.25 ; R9_CH1.1@655.51,1362.6 R9_CH1.1@657.48,1360.63
NetR9_CH2_1: R9_CH2.1 R11_CH2.2 U1_CH2.3 | length 529
  Top Layer w10: R9_CH2.1@2618.11,1376.38 2607.28,1376.38 2580.75,1402.91 2580.4,1402.91 2555.12,1428.2 2555.12,1495.08 2611.22,1551.18 R11_CH2.2@2625.98,1551.18 2645.59,1570.79 2666.14,1570.79 2666.21,1570.87 2767.25,1570.87 2836.11,1502 U1_CH2.3@2870.04,1502 ; R9_CH2.1@2620.08,1378.35 R9_CH2.1@2622.05,1376.38
NetR9_CH3_1: R9_CH3.1 R11_CH3.2 U1_CH3.3 | length 529
  Top Layer w10: R9_CH3.1@4555.12,1368.51 4544.29,1368.51 4517.76,1395.04 4517.41,1395.04 4492.13,1420.32 4492.13,1487.2 4548.23,1543.31 R11_CH3.2@4562.99,1543.31 4582.6,1562.91 4603.14,1562.91 4603.22,1562.99 4704.26,1562.99 4773.12,1494.13 U1_CH3.3@4807.09,1494.09 ; R9_CH3.1@4557.09,1370.47 R9_CH3.1@4559.06,1368.51
NetR9_CH4_1: R9_CH4.1 R11_CH4.2 U1_CH4.3 | length 533.9
  Top Layer w10: R9_CH4.1@6503.94,1370.87 6493.11,1370.87 6466.58,1397.4 6466.23,1397.4 6440.95,1422.68 6440.95,1489.57 6497.05,1545.67 R11_CH4.2@6511.81,1545.67 6531.42,1565.28 6551.96,1565.28 6552.04,1565.35 6653.07,1565.35 6721.62,1496.81 6731.41,1496.81 6733.02,1495.19 6758.74,1495.19 U1_CH4.3@6759.84,1494.09 ; R9_CH4.1@6505.91,1372.84 R9_CH4.1@6507.88,1370.87
NetR10_CH1_2: R10_CH1.2 R12_CH1.1 U1_CH1.12 | length 476.9
  Top Layer w10: U1_CH1.12@1141.73,1486.22 1142.83,1487.32 1168.55,1487.32 1170.17,1488.94 1178.38,1488.94 1236.69,1547.24 1322.84,1547.24 R12_CH1.1@1334.65,1535.43 ; R10_CH1.2@1334.65,1358.27 1370.08,1358.27 1409.45,1397.64 1409.45,1472.44 1369.02,1512.87 1369.02,1515.83 R12_CH1.1@1349.41,1535.43
NetR10_CH2_2: R10_CH2.2 R12_CH2.1 U1_CH2.12 | length 476.9
  Top Layer w10: U1_CH2.12@3106.3,1501.97 3107.4,1503.07 3133.12,1503.07 3134.73,1504.68 3142.95,1504.68 3201.26,1562.99 3287.4,1562.99 R12_CH2.1@3299.21,1551.18 ; R10_CH2.2@3299.21,1374.02 3334.65,1374.02 3374.02,1413.39 3374.02,1488.19 3333.58,1528.62 3333.58,1531.58 R12_CH2.1@3313.98,1551.18
NetR10_CH3_2: R10_CH3.2 R12_CH3.1 U1_CH3.12 | length 476.9
  Top Layer w10: U1_CH3.12@5043.31,1494.09 5044.41,1495.19 5070.12,1495.19 5071.74,1496.81 5079.96,1496.81 5138.26,1555.12 5224.41,1555.12 R12_CH3.1@5236.22,1543.31 ; R10_CH3.2@5236.22,1366.14 5271.65,1366.14 5311.02,1405.51 5311.02,1480.32 5270.59,1520.75 5270.59,1523.7 R12_CH3.1@5250.98,1543.31
NetR10_CH4_2: R10_CH4.2 R12_CH4.1 U1_CH4.12 | length 476.9
  Top Layer w10: U1_CH4.12@6992.13,1496.46 6993.23,1497.56 7018.94,1497.56 7020.56,1499.17 7028.78,1499.17 7087.08,1557.48 7173.23,1557.48 R12_CH4.1@7185.04,1545.67 ; R10_CH4.2@7185.04,1368.5 7220.47,1368.5 7259.84,1407.87 7259.84,1482.68 7219.41,1523.11 7219.41,1526.06 R12_CH4.1@7199.8,1545.67
NetR11_CH1_1: R11_CH1.1 U1_CH1.6 U1_CH1.7 | length 286.6
  Top Layer w10: R11_CH1.1@661.42,1426.77 676.18,1426.77 705.31,1397.64 838.58,1397.64 850.39,1409.45 U1_CH1.6@905.51,1409.45 U1_CH1.7@905.51,1383.86
NetR11_CH2_1: R11_CH2.1 U1_CH2.6 U1_CH2.7 | length 286.6
  Top Layer w10: R11_CH2.1@2625.98,1442.52 2640.75,1442.52 2669.88,1413.39 2803.15,1413.39 2814.96,1425.2 U1_CH2.6@2870.08,1425.2 U1_CH2.7@2870.08,1399.61
NetR11_CH3_1: R11_CH3.1 U1_CH3.6 U1_CH3.7 | length 286.6
  Top Layer w10: R11_CH3.1@4562.99,1434.65 4577.75,1434.65 4606.89,1405.51 4740.16,1405.51 4751.97,1417.32 U1_CH3.6@4807.09,1417.32 U1_CH3.7@4807.09,1391.73
NetR11_CH4_1: R11_CH4.1 U1_CH4.6 U1_CH4.7 | length 286.6
  Top Layer w10: R11_CH4.1@6511.81,1437.01 6526.57,1437.01 6555.71,1407.87 6688.98,1407.87 6700.79,1419.68 6755.91,1419.68 U1_CH4.7@6755.91,1394.09
NetR12_CH1_2: R12_CH1.2 U1_CH1.8 U1_CH1.9 | length 245.2
  Top Layer w10: U1_CH1.8@1141.73,1383.86 U1_CH1.9@1141.73,1409.45 1188.98,1409.45 1212.6,1385.83 1267.72,1385.83 1289.06,1407.17 1315.04,1407.17 R12_CH1.2@1334.65,1426.77
NetR12_CH2_2: R12_CH2.2 U1_CH2.8 U1_CH2.9 | length 245.2
  Top Layer w10: U1_CH2.8@3106.3,1399.61 U1_CH2.9@3106.3,1425.2 3153.54,1425.2 3177.17,1401.57 3232.28,1401.57 3253.62,1422.91 3279.61,1422.91 R12_CH2.2@3299.21,1442.52
NetR12_CH3_2: R12_CH3.2 U1_CH3.8 U1_CH3.9 | length 245.2
  Top Layer w10: U1_CH3.8@5043.31,1391.73 U1_CH3.9@5043.31,1417.32 5090.55,1417.32 5114.17,1393.7 5169.29,1393.7 5190.63,1415.04 5216.61,1415.04 R12_CH3.2@5236.22,1434.65
NetR12_CH4_2: R12_CH4.2 U1_CH4.8 U1_CH4.9 | length 245.2
  Top Layer w10: U1_CH4.8@6992.13,1394.09 6992.13,1419.68 7039.37,1419.68 7062.99,1396.06 7118.11,1396.06 7139.45,1417.4 7165.43,1417.4 R12_CH4.2@7185.04,1437.01
pads on no net: DC1.1 X1. X3.
copper on no net:
  other v3: 268.78,3634.24 268.78,4027.94

## Polygon pours and split planes (outlines as drawn)
GND on GND "GND_L03_P001" (solid, remove dead copper, pour order 1): 15.75,4397.64 23.62,4389.76 7850.39,4389.76 7850.39,23.62 7838.58,11.81 27.56,11.81
+15V on POWER "+15V_L02_P000" (solid, remove dead copper, pour order 0): 2649.61,4114.17 2893.7,4358.27 5952.76,4358.27 6157.48,4153.54 6157.48,3318.9 6425.2,3051.18 7531.5,3051.18 7771.65,2811.02 7771.65,519.69 7783.46,507.87 7381.89,106.3 358.27,106.3 94.49,370.08 94.49,2814.96 322.83,3043.31 322.83,3055.12 1921.26,3055.12 2649.61,3783.46

## Silkscreen, mask and mechanical layers (free items; w line width, h text height)
Top Overlay:
  lines w3.94: 6110.24,4173.23 6425.2,4173.23 ; 6267.72,4055.12 6267.72,4291.34 ; 6110.24,4055.12 6425.2,4055.12 6425.2,4291.34 6110.24,4291.34 6110.24,4055.12
  text "GND" at 6147.8,4214.72 h31.5
  text "GND" at 6305.28,4214.72 h31.5
  text "-15V" at 6132.05,4100.55 h31.5
  text "+15V" at 6289.53,4100.55 h31.5
  text "AUX_IN Supply" at 5137.8,3897.34 h78.74
  text "AUX_OUT Supply" at 5610.24,3897.34 h78.74
  text "GND" at 577.68,3793.46 h31.5 r90
  text "+24V" at 794.21,3773.78 h31.5 r90
  text "Pinout" at 4395.51,3561.18 h31.5 r90
  text "1: M_b1" at 4453.26,3561.18 h31.5 r90
  text "2: GND" at 4513.62,3561.18 h31.5 r90
  text "3: M_b2" at 4571.37,3561.18 h31.5 r90
  text "4: M_b3" at 4630.42,3561.18 h31.5 r90
  text "5: GND" at 4690.79,3561.18 h31.5 r90
  text "6: GND" at 4749.84,3561.18 h31.5 r90
  text "7: M_b4" at 4807.59,3561.18 h31.5 r90
  text "8: GND" at 4867.95,3561.18 h31.5 r90
  text "Pinout" at 3588.43,3557.24 h31.5 r90
  text "1: M_a1" at 3646.17,3557.24 h31.5 r90
  text "2: GND" at 3706.54,3557.24 h31.5 r90
  text "3: M_a2" at 3764.28,3557.24 h31.5 r90
  text "4: M_a3" at 3823.34,3557.24 h31.5 r90
  text "5: GND" at 3883.7,3557.24 h31.5 r90
  text "6: GND" at 3942.76,3557.24 h31.5 r90
  text "7: M_a4" at 4000.5,3557.24 h31.5 r90
  text "8: GND" at 4060.87,3557.24 h31.5 r90
  text "-15" at 3468.5,3347 h59.06
  text "GND" at 3622.05,3347 h59.06
  text "+15" at 3783.46,3347 h59.06
  text "Current Transducers Corfo v2.0" at 858.27,2935.01 h78.74
  text "-15V" at 6174.17,2881.51 h157.48 r90
  text "Design: Catalina Miranda" at 854.33,2874.77 h59.06
  text "+15V" at 6016.69,2853.95 h157.48 r90
  text "Guide: Fernando Dattwyler" at 854.33,2823.53 h59.06
  text "Date: February 2022" at 854.33,2772.35 h59.06
  text "M8" at 7196.85,279.53 h157.48
  text "M7" at 6440.94,244.09 h157.48
  text "M4" at 3314.96,224.41 h157.48
  text "M6" at 5267.72,224.41 h157.48
  text "M3" at 2574.8,216.54 h157.48
  text "M5" at 4496.06,216.54 h157.48
  text "M2" at 1322.83,204.72 h157.48
  text "M1" at 570.87,196.85 h157.48
Board Outline:
  the board outline again, w3.94

## Text inside footprints (layer, text, board x,y; h text height)
Serial: Mechanical 5 "SerialNr" at 7125.98,4342.52 h27.56 r180